# KiCad board robot.kicad_pcb (continued)
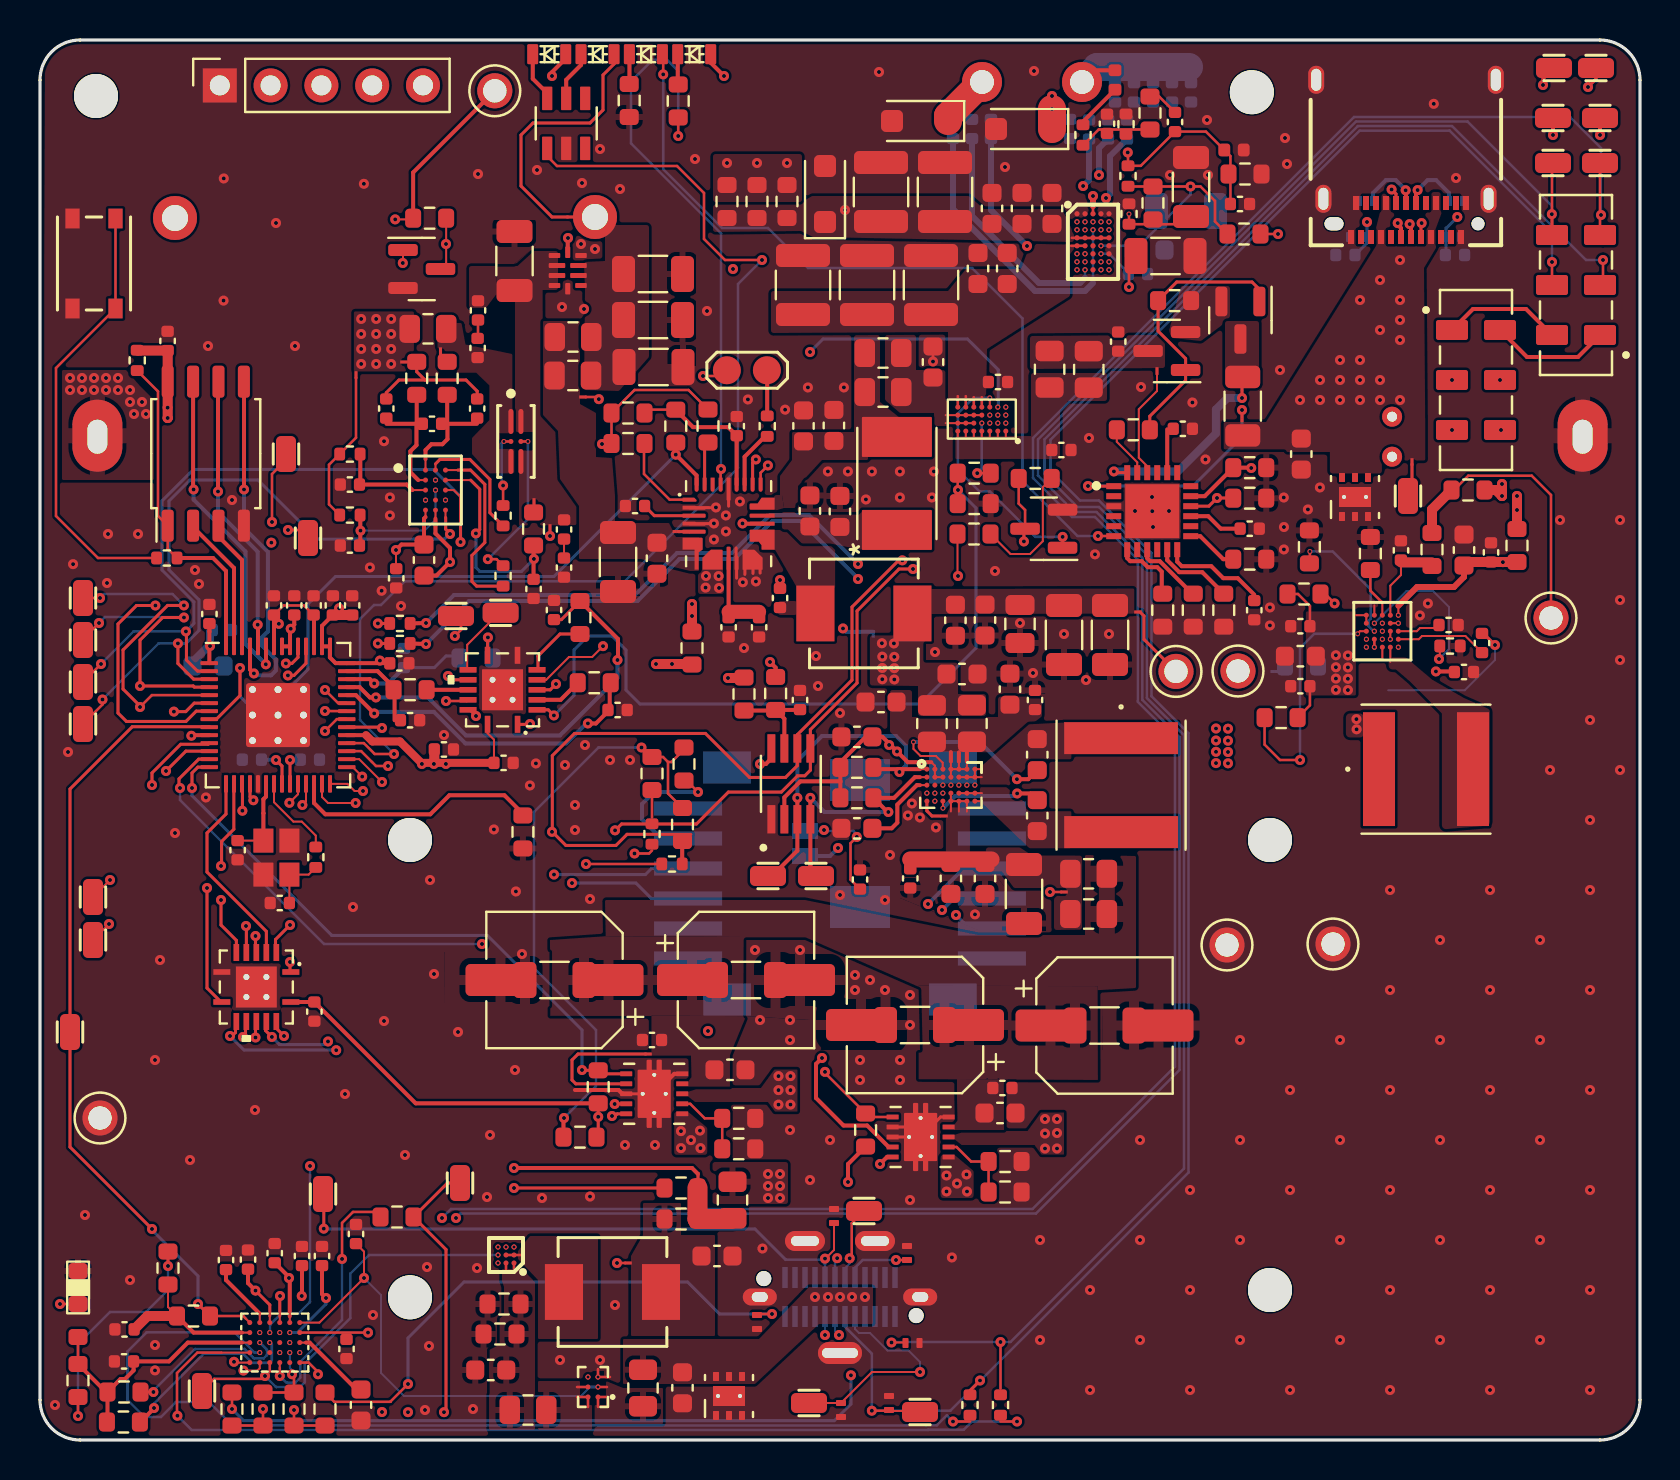
[diagram p0: board, top side]
## Routing (per net, layer and track width the routed paths; a pad name or vN(x,y) marks a point on that pad's centre or on a via; arc(x,y) is an arc through that point) (continued)
/BoostRegulator/IN: length 3.8
  Top Layer w0.1: U6.A6 U6.A4 ; U6.A4 45.54,33.93 ; U6.A4 U6.B4 ; 46.35,33.54 46.35,33.92 ; 45.95,33.54 45.95,33.92
  Top Layer w0.2: 45.54,33.93 45.54,34.39 ; 45.95,33.92 45.95,34.39 ; 46.35,33.92 46.35,34.39
/Charger/BATT_SIGNAL: length 0.6
  Top Layer w0.152: U13.5 32.48,45.42 31.92,45.42
/Charger/DISQBAT: length 4.4
  Top Layer w0.127: 30.2,49.88 30.2,48.3 31.48,47.02 U13.1
/Charger/SUSPND: length 2.2
  Top Layer w0.152: R81.1 33.23,49.71 U13.31
/Charger/VIO: length 7.7
  Top Layer w0.127: R49.1 30.39,51.52 30.22,51.35
  Top Layer w0.2: 34.84,49.92 C71.1 34.41,50.64 32.65,50.64 31.79,51.51 ; U13.27 34.83,49.91
/DN1: length 6
  Top Layer w0.2: S3.4 74.35,54.15 76.9,54.15 S4.1
/DN2: length 19.7
  Top Layer w0.2: v1(68.88,62.5) 68.8,62.41 J1.B7 ; v1(67.89,60.85) 67.89,60.76 68.05,60.59 J1.A7
  Signal Layer 1 w0.2: v1(67.89,60.85) 68.88,61.84 v1(68.88,62.5)
  Signal Layer 2 w0.2: v1(73.05,50.5) 71.85,51.7 71.85,58.96 68.88,61.93 v1(68.88,62.5)
  Bottom Layer w0.2: U28.1 70.45,62.35 69.81,62.99 69.38,62.99 v1(68.88,62.5)
/DP1: length 6
  Top Layer w0.2: S4.4 74.3,56.55 71.65,56.55 S3.1
/DP2: length 16.9
  Top Layer w0.2: J1.A6 68.55,60.73 v1(68.48,60.8) ; v1(68.28,62.49) 68.3,62.47 J1.B6
  Signal Layer 1 w0.2: v1(68.48,60.8) 68.55,60.73 68.55,54 70.6,51.95 v1(70.6,50.5)
  Signal Layer 2 w0.2: v1(68.48,60.8) 68.58,60.89 68.58,62.16 68.28,62.46 v1(68.28,62.49)
  Bottom Layer w0.2: U29.1 66.65,62.35 67.29,62.99 67.79,62.99 68.28,62.5 v1(68.28,62.49)
/GPIO4: length 71
  Top Layer w0.127: R18.2 48.93,46.82 49.25,46.5 Q1.3
  Top Layer w0.152: U3.6 7.71,36.84 7.29,36.42 v1(6.7,36.42) ; v1(49.2,44.93) 49.2,45.51
  Signal Layer 2 w0.152: v1(49.2,44.93) 49.2,52.63 46.87,54.95 37.38,54.95 36.6,54.17 26.04,54.17 24.52,52.65 11.32,52.65 6.45,47.78 6.45,39.05 6.7,38.8 v1(6.7,36.42)
/GPIO5: length 78.6
  Top Layer w0.152: v1(5.77,41.72) 4.83,41.72 3.9,40.8 3.9,36.35 4.32,35.93 7.3,35.93 7.81,36.44 U3.7
  Signal Layer 2 w0.152: v1(38.5,54.4) 36.82,52.72 36.82,48.55 36.57,48.3 35.92,48.3 33.85,50.37 14.99,50.37 14.33,49.72 13,49.72 7.25,43.98 7.25,42.63 7.87,42.01 7.87,37 6.87,35.99 6.52,35.99 6.27,36.24 6.27,38.87 5.77,39.37 v1(5.77,41.72)
  Bottom Layer w0.152: v1(38.5,54.4) 39.15,55.05 46.37,55.05 47.91,53.51 47.91,51.64 47.89,51.64
  vias: v2(47.89,51.64)
/GPIO6: length 36.2
  Top Layer w0.152: v1(10,38.6) 10,37.22 8.82,36.04
  Top Layer w0.2: U13.32 32.83,48.23 v1(31.79,49.27) R49.2
  Bottom Layer w0.152: v1(31.79,49.27) 25.7,43.17 14.78,43.17 13.4,41.8 13.4,38.53 12.6,37.73 12.6,37.26 12.22,36.89 10.3,36.89 10,37.18 v1(10,38.6)
/GPIO7: length 39.6
  Top Layer w0.1: 10.3,6.06 U11.A1
  Top Layer w0.127: R36.2 10.16,6.2 10.3,6.06
  Top Layer w0.152: v1(7.9,6.8) R36.2 ; U3.9 8.44,35.66 4.61,35.66 1.5,32.55 1.5,14.65 v1(5.6,10.55)
  Bottom Layer w0.152: v1(7.9,6.8) 7.9,8.2 5.6,10.5 v1(5.6,10.55)
/GPIO8: length 27.1
  Top Layer w0.152: 12.5,23.4 v1(12.5,23.9) ; v1(5.6,32.75) 5.6,33.35 7.03,34.79 8.41,34.79 U3.11 ; v1(10.15,20.15) 10.28,20.27 10.28,20.93 ; 10.78,24.38 v1(10.78,25.2) ; 11.78,20.93 11.78,20.62 v1(12.2,20.2)
  Signal Layer 1 w0.152: v1(5.6,32.75) 5.6,29.3 9.7,25.2 v1(10.78,25.2) 12.08,23.9 v1(12.5,23.9) 12.5,22.45 10.2,20.15 v1(10.15,20.15) 10.15,19.9 10.35,19.7 11.74,19.7 12.2,20.16 v1(12.2,20.2)
/GPIO9: length 71.7
  Top Layer w0.152: U3.12 7.29,34.44 v1(6.3,33.45)
  Signal Layer 2 w0.127: v2(53.05,58.91) 52.87,58.91 52.7,58.74 52.7,57.95 51.9,57.15 13.3,57.15 4.4,48.25 4.4,39.35 5.95,37.8 5.95,33.8 v1(6.3,33.45)
/GPIO10: length 45.1
  Top Layer w0.127: v1(39.25,18.41) 39.25,18.36 R28.2 41.45,16.15 U8.6
  Top Layer w0.152: 6.95,32.7 6.95,33.06 7.94,34.04 U3.13
  Signal Layer 2 w0.127: v1(39.25,18.41) 37.9,18.41 31.5,24.8 v1(22.1,24.8)
  Bottom Layer w0.127: v1(22.1,24.8) 14.2,24.8 7,32 v1(7,32.6)
/GPIO11: length 30.7
  Top Layer w0.152: v1(7.6,32.6) 7.6,33.35 7.89,33.64 U3.14 ; U9.6 28.09,18.31 R31.2 27.12,18.48
  Bottom Layer w0.152: v1(27.1,18.5) 27.1,20.5 22.37,25.23 14.59,25.23 7.6,32.22 v1(7.6,32.6)
/GPIO12: length 10.1
  Top Layer w0.152: U3.15 9.3,31.3 8.35,30.35 8.35,28.4 11.32,25.43 Q6.3
/GPIO13: length 9
  Top Layer w0.152: v1(9.05,28.7) 9.08,28.73 9.08,29.93 9.69,30.54 9.69,32.8 U3.16 ; v1(9.05,27) 9.05,25.75 9.82,24.98 Q6.6
  Signal Layer 1 w0.152: v1(9.05,27) v1(9.05,28.7)
/GPIO14: length 11.9
  Top Layer w0.152: v1(8.35,27.6) 8.35,22.6 9.05,21.9 ; 10.12,32.78 10.12,31.47 v1(10.12,31.46)
  Signal Layer 1 w0.152: v1(10.12,31.46) 8.4,29.74 8.4,27.65 v1(8.35,27.6)
/GPIO15: length 15.6
  Top Layer w0.152: v1(10.78,20.12) 10.78,20.93 ; U3.18 10.5,32.16 v1(10.67,31.99)
  Signal Layer 1 w0.152: v1(10.67,31.99) 13.2,29.46 13.2,22.55 v1(10.78,20.12)
/GPIO20: length 39.9
  Top Layer w0.1: Q7.3 20.31,58.83 R8.2
  Top Layer w0.127: v1(17.4,33.7) 16.8,33.7 16.06,34.44 U3.31
  Signal Layer 1 w0.127: v1(17.4,33.7) 16.9,33.7 16.3,34.3 16.3,38 16.3,38 16.3,42.8 15,44.1 15,60.4 16.6,62 18.1,62 v1(20.3,59.8)
/GPIO23: length 95.6
  Top Layer w0.127: R89.2 v1(61.9,60.3) ; v1(14.25,35.45) 14.84,36.04 U3.35
  Signal Layer 1 w0.127: v1(14.25,35.45) 15,36.2 15,40.6 13.65,41.95 13.65,47.75 10.35,51.05 10.35,68.25 11.15,69.05 23.45,69.05 25.7,66.8 41.4,66.8 50.65,57.55 52.45,57.55 53.05,58.15 v2(53.05,58.51) 53.05,58.33 53.23,58.15 59.75,58.15 v1(61.9,60.3)
/I2C0_SCL: length 153
  Top Layer w0.1: 20.27,46.12 U12.E3
  Top Layer w0.127: v1(3.12,37.03) 3.12,36.78 TP16.1
  Top Layer w0.152: v1(43.12,43.98) 42.93,43.98 40.6,41.65 40.6,38 37.87,35.27 U5.6 37.87,33.72 37.28,33.13 35.47,33.13 33.27,35.33 26.73,35.33 25.62,34.22 25.62,30.41 26.3,29.73 28.8,29.73 29.35,30.28 32.54,30.28 ; 20.28,46.12 20.28,45.54 20.5,45.33 ; v1(6.9,39.83) 6.9,38.83 7.68,38.04 U3.3 ; 28.76,16.21 28.86,16.31 U9.10
  Top Layer w0.2: R7.2 32.11,29.94 R15.2 ; v1(42,13.8) 42.35,14.15 U8.10
  Signal Layer 1 w0.2: v1(25.6,30.41) 26.23,29.78 29.91,29.78 30.4,29.29 30.4,20 28.1,17.7 28.1,16.7 v1(28.6,16.2) 28.6,13.2 30.56,11.24 38.1,11.24 40.66,13.8 v1(42,13.8)
  Signal Layer 2 w0.127: v2(53.45,58.51) 53.45,49.9 52.33,48.78 52.31,48.78 49.77,46.24 49.77,44.57 49.43,44.23 43.36,44.23 v1(43.12,43.98)
  Signal Layer 2 w0.152: 25.62,30.41 21.37,34.65 21.37,36.67 21.75,37.05 21.75,44.77 21.45,45.07 21.45,45.08 21.2,45.33 20.5,45.33
  Bottom Layer w0.127: v1(3.12,37.03) 5.93,39.83 v1(6.9,39.83)
  Bottom Layer w0.152: v1(6.9,39.83) 7.3,39.83 7.95,40.48 7.95,42.01 6.45,43.51 6.45,46.95 7.5,48 10.9,48 13.86,45.04 20.21,45.04 20.5,45.33
  vias: v1(20.5,45.3)
/I2C0_SDA: length 141.3
  Top Layer w0.1: U12.C3 20.69,47.5 21.03,47.16
  Top Layer w0.127: R14.2 30.6,31.12 ; TP1.1 v1(3.05,38.8)
  Top Layer w0.152: v1(43.65,43.55) 42.95,43.55 40.85,41.45 40.85,37.85 38.52,35.52 U5.5 38.52,33.49 38.24,33.21 37.88,33.21 37.07,32.4 34.42,32.4 32.82,30.8 29.08,30.8 28.78,30.5 ; U3.2 7.88,38.44 7.32,39 7.32,40.4 v1(7.3,40.43) ; U9.9 28.76,16.81 ; 21.03,47.16 v1(21.03,44.9)
  Top Layer w0.2: v1(39.1,19.1) 38.8,18.8 38.8,17.1 40.17,15.72 41.36,15.72 42.43,14.65 U8.9
  Signal Layer 1 w0.2: 30.8,19.1 30.8,29.31 29.63,30.48 v1(28.75,30.48) ; 30.8,19.1 30.2,19.1 28.74,17.64 v1(28.74,16.8) ; 30.8,19.1 v1(39.1,19.1)
  Signal Layer 2 w0.127: 44.3,43.6 43.7,43.6 v1(43.65,43.55) 44.25,43.55 44.3,43.6 ; 44.3,43.6 44.7,44 49.55,44 50,44.45 50,46.13 53.9,50.03 53.9,58.64 53.63,58.91 v2(53.45,58.91)
  Signal Layer 2 w0.152: 28.77,30.5 28.1,29.83 22.6,29.83 21.12,31.3 21.12,36.78 21.5,37.15 21.5,44.67 21.26,44.9 v1(21.03,44.9)
  Bottom Layer w0.127: v1(7.3,40.43) 4.68,40.43 v1(3.05,38.8)
  Bottom Layer w0.152: v1(7.3,40.43) 7.7,40.83 7.7,41.9 6.1,43.5 6.1,46.96 7.67,48.53 19.67,48.53 21.03,47.17 v1(21.03,44.9)
/I2C1_SCL: length 102.5
  Top Layer w0.127: v1(3,42.1) TP2.1 ; v1(5,36.65) 5.6,37.24 U3.5 ; v1(36.4,48.73) 36.03,48.36 U13.24 ; R35.2 v1(5.67,2.4)
  Top Layer w0.152: v1(5,36.65) 5,36.7 4.15,37.55 4.15,39.5 6.38,41.73 v1(7.2,41.73)
  Signal Layer 2 w0.152: v1(7.2,41.73) 6.75,42.17 6.75,47.55 9.58,50.38 14.03,50.38 14.6,50.95 35.47,50.95 36.4,50.03 v1(36.4,48.73) ; v1(5.67,2.4) 5.1,2.4 4.8,2.7 4.8,5.06 1.25,8.6 1.25,33.1 4.8,36.65 v1(5,36.65)
  Bottom Layer w0.127: v1(5.67,2.4) 5.67,2.47 7.75,4.55 10.23,4.55 10.7,4.08 11.18,4.08 11.35,4.25 11.35,4.51 v2(10.99,4.87) ; v1(7.2,41.73) 6.62,42.3 3.2,42.3 v1(3,42.1)
/I2C1_SDA: length 101.3
  Top Layer w0.127: TP17.1 2.15,40.05 v1(2.95,40.85)
  Top Layer w0.152: v1(35.8,49.03) 35.63,48.86 U13.25 ; U3.4 7.72,37.64 7.66,37.7 v1(5,37.7) 5,39.99 6.13,41.12 v1(7.2,41.12)
  Top Layer w0.2: 5.02,0.9 5.7,1.58 v1(5.7,1.6)
  Signal Layer 2 w0.152: v1(5,37.7) 5,37.25 1,33.25 1,8.5 4.5,5 4.5,2.52 5.42,1.6 v1(5.7,1.6) ; v1(7.2,41.12) 7.62,41.55 7.62,41.9 7,42.52 7,46.25 10.73,49.97 14.23,49.97 14.89,50.62 34.2,50.62 v1(35.8,49.03)
  Bottom Layer w0.127: v1(5.7,1.6) 5.7,1.82 8.2,4.32 10.13,4.32 10.6,3.86 11.46,3.86 11.59,3.99 11.59,4.76 11.48,4.87 ; v1(7.2,41.12) 7.17,41.15 3.25,41.15 v1(2.95,40.85)
  vias: v2(11.49,4.87)
/LDOs/LED_3V3: length 2.7
  Top Layer w0.2: 24.64,69.5 24.64,68.06 25.36,67.34 U7.6
/LDOs/SYS: length 7.1
  Top Layer w0.1: U14.B1 U14.A1 65.71,41.24 ; U14.E3 67.12,39.05
  Top Layer w0.127: R93.2 63.5,36.74 C85.1 ; R92.2 62.9,42.3 63.5,41.7 C4.1 ; 67.1,39.03 65.78,39.03
  vias: v1(64.8,39.24) v1(64.8,38.64) v1(64.8,38.07) v1(64.8,37.51) v1(65.4,39.23) v1(65.4,38.63) v1(65.4,38.06) v1(65.4,37.5)
/LED_EN: length 57.6
  Top Layer w0.127: U3.32 16.19,34.84 16.73,34.3 v1(17.7,34.3) ; v1(36.1,59) 34.25,59 33.2,60.05 33.2,62.35 31.85,63.7 25.85,63.7 25.36,64.19 U7.1
  Bottom Layer w0.127: v1(36.1,59) 34.9,57.8 34.9,48.6 29.24,42.94 18.24,42.94 17.05,41.75 16.7,41.75 16,41.05 16,36 v1(17.7,34.3)
/LED_PACK: length 2.7
  Top Layer w0.2: U7.5 26.31,68.01 27.05,68.75 27.05,69.5
/MCU/ADC2: length 3.6
  Top Layer w0.1: TP26.1 22.96,41.36 21.36,39.76 21.36,38.51
/MCU/ADC3: length 6.5
  Top Layer w0.127: 21.05,41.41 21.05,40.51 v1(20.74,40.2) ; v1(20.3,36.95) 21.34,36.95 Q5.12
  Signal Layer 1 w0.127: v1(20.3,36.95) 19.6,37.65 19.6,39.06 v1(20.74,40.2)
/MCU/D+: length 78.9
  Top Layer w0.2: TP20.1 v1(78,65.25) ; R3.1 v1(19.3,40.85)
  Signal Layer 1 w0.2: v1(40.9,43.8) 42.06,42.64 63.79,42.64 71.2,50.05 71.2,52.4 v1(70.6,53) 70.6,57.85 v1(78,65.25)
  Bottom Layer w0.2: v1(40.9,43.8) 38.45,46.25 36.5,46.25 34.6,44.35 31.85,44.35 29.75,42.25 20.7,42.25 v1(19.3,40.85)
/MCU/D-: length 78.1
  Top Layer w0.2: R4.1 v1(19.3,39.8) ; TP21.1 v1(75.65,65.25)
  Signal Layer 1 w0.2: v1(73,53) 73,51.43 63.91,42.34 41.61,42.34 v1(40.9,43.05)
  Signal Layer 2 w0.2: v1(75.65,65.25) 74.05,63.65 74.05,57.1 73.03,56.08 73.03,53.03 v1(73,53)
  Bottom Layer w0.2: v1(19.3,39.8) 21.45,41.95 29.87,41.95 31.97,44.05 34.72,44.05 36.62,45.95 38.03,45.95 40.9,43.08 v1(40.9,43.05)
/MCU/GPIO22: length 19.3
  Top Layer w0.152: v1(25.8,37.8) 25.51,37.51 24.9,37.51 ; v1(21.8,36.2) 21.49,36.51 21.36,36.51 ; v1(24.5,35.8) 24.48,35.78 23.88,35.78 ; 21.36,38.01 20.59,38.01 v1(20.4,38.2) ; U3.34 17.06,35.64 v1(17.1,35.6)
  Signal Layer 1 w0.152: v1(21.8,36.2) 20.4,37.6 v1(20.4,38.2) ; v1(21.8,36.2) 22.2,35.8 v1(24.5,35.8) 24.5,36.5 v1(25.8,37.8) ; v1(21.8,36.2) 21.8,35.5 20.85,34.55 19.15,34.55 18.1,35.6 v1(17.1,35.6)
/MCU/GPIO24: length 15
  Top Layer w0.127: U3.36 v1(14.25,36.45) ; v1(11.6,45.9) 11.6,48.3 12.25,48.95 12.25,49
  Signal Layer 1 w0.127: v1(11.6,45.9) 11.6,45.42 12.77,44.25 12.77,42.08 13.84,41.01 13.84,36.86 v1(14.25,36.45)
/MCU/GPIO25: length 11.3
  Top Layer w0.127: v1(14.25,37.5) 14.91,36.84 U3.37 ; v1(12.4,45.5) 13,45.5 TP33.1
  Signal Layer 1 w0.127: v1(14.25,37.5) 14.25,41.03 13.27,42.01 13.27,44.63 v1(12.4,45.5)
/MCU/GPIO26_ADC0: length 16.2
  Top Layer w0.2: U3.38 15.79,37.24 v1(16.71,36.33) ; 28.49,37.81 28.49,36.52 27.8,35.83 v1(27.4,35.83)
  Bottom Layer w0.2: v1(27.4,35.83) 27.32,35.83 26.32,34.83 21.27,34.83 19.69,36.41 16.79,36.41 v1(16.71,36.33)
/MCU/GPIO27_ADC1: length 22.1
  Top Layer w0.152: R24.1 26.07,41.02 C38.1
  Top Layer w0.2: R24.1 28.9,40.05 28.9,39.03 v1(28.87,39) ; v1(16.8,37.13) 16.5,37.13 15.98,37.64 U3.39
  Bottom Layer w0.2: v1(16.8,37.13) 19.4,37.13 21.3,35.23 26,35.23 28.87,38.11 v1(28.87,39)
/MCU/GPIO28_ADC2: length 6.4
  Top Layer w0.2: v1(16.71,37.83) 16.49,38.04 U3.40
  Bottom Layer w0.152: 21.1,39.2 20.3,39.2 19.72,38.62 C37.1
  Bottom Layer w0.2: v1(16.71,37.83) 17.41,37.83 C37.1
/MCU/GPIO29_ADC3: length 4.2
  Top Layer w0.2: 17.73,35.99 17.73,37.46 ; 17.39,37.51 17.39,37.94 16.88,38.44 U3.41
/MCU/QSPI_SCLK: length 14
  Top Layer w0.2: U3.52 10.9,40.75 v1(10.88,40.76) ; v1(8.9,47.42) 8.9,52.89
  Bottom Layer w0.2: v1(10.88,40.76) 10.88,44.42 8.9,46.4 v1(8.9,47.42)
/MCU/QSPI_SD0: length 18
  Top Layer w0.2: U3.53 10.5,38.52 v1(10.7,38.33) ; v1(10.2,47.53) 10.2,52.91
  Bottom Layer w0.2: v1(10.7,38.33) 10.79,38.23 11.55,38.23 11.8,38.48 11.8,39.03 11.1,39.73 11.1,40.13 11.4,40.43 11.4,44.4 10.2,45.6 v1(10.2,47.53)
/MCU/QSPI_SD1: length 6.9
  Top Layer w0.2: U2.2 7.65,45.65 9.7,43.6 U3.55
/MCU/QSPI_SD2: length 6.5
  Top Layer w0.2: U3.54 10.1,44 8.92,45.18 U2.3
/MCU/QSPI_SD3: length 16.5
  Top Layer w0.2: U3.51 11.3,38.79 v1(11.29,38.78) ; U2.7 7.65,47.55 v1(7.68,47.53)
  Bottom Layer w0.2: v1(11.29,38.78) 10.27,39.8 10.27,44.43 7.68,47.02 v1(7.68,47.53)
/MCU/QSPI_SS: length 16.7
  Top Layer w0.127: R1.1 6.38,44.57 U2.1 5.9,46.2 5.9,52.43 R2.2
  Top Layer w0.2: U3.56 9.3,43.45 8.65,44.1 R1.1
/MCU/RUN: length 12.5
  Top Layer w0.2: U3.26 13.7,31.85 14.27,31.28 19.52,31.28 20.47,32.24 23.22,32.24 24.22,31.24
/MCU/SWCLK: length 39.9
  Top Layer w0.1: U3.24 12.9,32.29 v1(12.47,31.86)
  Signal Layer 1 w0.1: v1(12.47,31.86) 15.48,34.87 15.48,38.34 15.49,38.34 15.49,41.91 14.19,43.21 14.19,57.52 13.89,57.82 13.89,65.37 J2.2
/MCU/SWD: length 38.8
  Top Layer w0.1: v1(13.12,31.75) 13.3,31.93 U3.25
  Signal Layer 1 w0.1: v1(13.12,31.75) 15.31,33.94 15.31,34.2 15.68,34.57 15.68,38.25 15.69,38.26 15.69,42.21 14.39,43.51 14.39,67.41 J2.3
/MCU/UART_CTS: length 17.8
  Top Layer w0.1: v1(3.45,25.8) TP11.1 ; U3.29 15.64,33.64 v1(16.11,33.17)
  Signal Layer 2 w0.1: v1(16.11,33.17) 15.66,33.17 11.76,29.27 6.92,29.27 v1(3.45,25.8)
/MCU/UART_RTS: length 19.6
  Top Layer w0.1: U3.30 15.96,34.04 v1(17.1,32.9) ; v1(3.5,28) TP24.1
  Signal Layer 2 w0.1: v1(17.1,32.9) 16.43,33.57 15.6,33.57 11.6,29.57 5.07,29.57 v1(3.5,28)
/MCU/UART_RX: length 39.8
  Top Layer w0.1: U3.28 15.37,32.81 15.73,32.45 v1(16.15,32.45)
  Signal Layer 1 w0.1: v1(16.15,32.45) 15.71,32.89 15.71,34.04 16.08,34.41 16.08,38.09 16.09,38.09 16.09,42.61 14.79,43.91 14.79,63.37 J2.5
/MCU/UART_TX: length 40
  Top Layer w0.1: v1(15.78,31.85) 14.4,31.85 14.1,32.15 U3.27
  Signal Layer 1 w0.1: v1(15.78,31.85) 15.51,32.12 15.51,34.12 15.88,34.49 15.88,38.17 15.89,38.17 15.89,42.41 14.59,43.71 14.59,65.71 J2.4
/MCU/XIN: length 4.2
  Top Layer w0.1: C2.1 Y1.1
  Top Layer w0.2: Y1.1 11.17,31.34 11.17,31.34 11.17,32.04 11.3,32.17 U3.20
/MCU/XOUT: length 4.3
  Top Layer w0.1: U3.21 11.7,31.89 12.67,30.92 13.09,30.92 13.79,30.22 R5.1
/MCU/~{USB_BOOT}: length 22
  Top Layer w0.127: R1.2 2.9,44.1 0.8,46.2 0.8,53.6 S2.2 S2.1
/MOTORS/ENC_11: length 37.9
  Top Layer w0.152: v1(12.5,25.75) 11.78,25.03 11.78,24.38
  Signal Layer 2 w0.2: v1(12.5,25.75) 12.55,25.8 43.4,25.8 v1(44.4,26.8)
  Bottom Layer w0.2: J5.3 46.18,28.58 v1(44.4,26.8)
/MOTORS/ENC_12: length 39.5
  Top Layer w0.152: v1(10.3,25.7) 10.32,25.68 Q6.5
  Signal Layer 2 w0.152: v1(45.1,26.5) 43.92,25.32 11.63,25.32 11.25,25.7 v1(10.3,25.7)
  Bottom Layer w0.2: J5.4 45.67,27.07 v1(45.1,26.5)
/MOTORS/ENC_21: length 28.3
  Top Layer w0.152: v1(9.5,20.2) 9.6,20.2 9.77,20.37 9.77,20.93
  Signal Layer 1 w0.152: v1(14.81,19.49) 14.81,19.73 14.83,19.75 14.83,20.18 22.95,28.3 25.67,28.3 v1(25.7,28.27)
  Bottom Layer w0.152: v1(25.7,28.27) 25.7,28.27 30.27,28.27 30.58,28.58 J3.4 ; v1(9.5,20.2) 9.5,20.2 10.2,19.5 14.8,19.5 v1(14.81,19.49)
/MOTORS/ENC_22: length 26.8
  Top Layer w0.152: v1(11.59,20.15) 11.27,20.47 11.27,20.93
  Signal Layer 1 w0.152: v1(14.4,19.93) 14.4,20.25 22.85,28.7 26.35,28.7 26.6,28.45 v1(26.6,27.85)
  Bottom Layer w0.152: v1(11.59,20.15) 11.97,19.77 14.25,19.77 v1(14.4,19.93) ; J3.3 30.57,27.07 29.79,27.85 v1(26.6,27.85)
/MOTORS/ENC_VCC: length 25.6
  Top Layer w0.127: 32.2,32.88 32.42,32.88 v1(32.9,32.4)
  Signal Layer 2 w0.152: v1(32.9,32.4) 33.4,32.9 39.5,32.9 45.8,26.6 v1(45.8,26.25)
  Bottom Layer w0.152: v1(45.8,26.25) 46.48,25.57 J5.5
  Bottom Layer w0.2: J3.5 31.06,30.08 30.1,31.03 30.1,31.8 30.7,32.4 v1(32.9,32.4)
/MOTORS/OUT_N1:
  vias: v1(45.33,13.22) v1(45.33,12.43) v1(45.85,12.82) v1(46.33,13.28) v1(46.35,12.43)
/MOTORS/OUT_N2:
  vias: v1(32.05,15.44) v1(32.05,14.59) v1(32.55,14.99) v1(33,15.47) v1(33.02,14.59)
/MOTORS/OUT_P1:
  vias: v1(50.25,16.05) v1(50.25,15.32) v1(50.25,14.57) v1(50.85,16.05) v1(50.85,15.35) v1(50.85,14.57)
/MOTORS/OUT_P2:
  vias: v1(36.92,18.19) v1(36.92,17.49) v1(36.92,16.77) v1(37.52,18.19) v1(37.52,17.49) v1(37.52,16.77)
/MOTORS/VIO: length 38.9
  Top Layer w0.152: 27.91,15.43 v1(27.91,16.16) R31.1
  Top Layer w0.2: R28.1 40.4,13.79 v1(40.4,12.9) ; R31.1 18.78,16.83 C44.1 Q6.14
  Signal Layer 1 w0.2: v1(40.4,12.9) 40.4,11.7 39.6,10.9 30.3,10.9 27.91,13.29 v1(27.91,16.16)
/PowerMux/FLAG: length 12.4
  Top Layer w0.1: U4.D3 47.49,52.11
  Top Layer w0.127: v1(51.13,45.16) 51.13,44.62 ; 47.49,52.11 v2(47.49,52.11)
  Bottom Layer w0.127: v1(51.13,45.16) 49.77,45.16 47.5,47.43 46.97,47.43 45.9,48.5 45.9,51.33 46.67,52.11 v2(47.49,52.11)
/PowerMux/VIO: length 6.6
  Top Layer w0.1: R76.1 48.53,44.3 49.5,44.3 50.14,44.94 50.14,47.63 R18.1
/PowerMux/VOUT: length 3.2
  Top Layer w0.1: 45.28,51.24 U4.C5 U4.C4 ; U4.B5 45.28,50.84
/Protection/RC2: length 13.4
  Top Layer w0.1: Q7.1 18.15,58.86 v1(18.14,58.85)
  Signal Layer 1 w0.1: v1(18.14,58.85) 20.27,56.72 v2(20.27,47)
/SCL_SL: length 37.6
  Top Layer w0.127: v1(27.3,28.8) R7.1
  Signal Layer 1 w0.2: v1(27.3,28.8) 27.04,29.06 22.73,29.06 13.95,20.28 13.95,13.51 10.3,9.86 10.3,6.06 10.99,5.37
  vias: v2(10.99,5.37)
/SDA_SL: length 37.1
  Top Layer w0.127: 30.6,29.47 30.45,29.32 v1(29.72,29.32)
  Signal Layer 1 w0.127: v1(29.72,29.32) 22.62,29.32 13.5,20.2 v1(13.5,13.7)
  Bottom Layer w0.127: v1(13.5,13.7) 13.5,6.9 12.91,6.31 12.06,6.31 11.5,5.75 11.5,5.4
  vias: v2(11.49,5.37)
/SYS:
  vias: v1(33.3,43.2) v1(33.28,42.62) v1(33.93,43.2) v1(33.95,42.6) v1(36.4,13.3) v1(36.4,12.7) v1(36.4,12.1) v1(37,13.3) v1(37,12.7) v1(37,12.1) v1(42.1,39.84) v1(42.12,39.17) v1(42.12,38.6) v1(42.12,38.04) v1(42.7,39.83) v1(42.72,39.16) v1(42.72,38.59) v1(42.72,38.03) v1(58.8,35.58) v1(58.8,34.97) v1(58.8,34.41) v1(58.8,33.84) v1(59.4,35.56) v1(59.4,34.97) v1(59.4,34.4) v1(59.4,33.83)
/USB-PD-ExtChg/CC1: length 35.2
  Top Layer w0.152: TP22.1 77.8,68.05 v1(77.4,67.65) ; v1(69.08,60.85) 69.05,60.81 J1.A5
  Top Layer w0.2: v1(60.56,48.6) 60.55,48.62 R63.1 58.24,47.19 U18.17
  Signal Layer 1 w0.152: v1(77.4,67.65) 76.35,67.65 71.05,62.35 71.05,61.33 v1(70.87,61.15) 70.8,61.21 69.45,61.21 v1(69.08,60.85)
  Signal Layer 2 w0.2: v1(60.56,48.6) 60.56,50.67 69.08,59.19 v1(69.08,60.85)
  Bottom Layer w0.152: C18.1 70.3,59.28 70.3,60.58 v1(70.87,61.15)
/USB-PD-ExtChg/CC2: length 34.9
  Top Layer w0.152: TP23.1 75.15,68.05 v1(75.15,67.75) ; J1.B5 67.8,62.3 v1(67.58,62.52) ; U18.16 58.44,46.69 v1(58.85,47.1) 59.65,47.1 R64.1
  Signal Layer 1 w0.152: v1(67.58,62.52) 69.36,64.3 71.25,64.3 74.7,67.75 75.2,67.75
  Signal Layer 2 w0.152: v1(58.85,47.1) 58.85,49.35 61.87,52.37 61.87,52.38 62.12,52.63 62.13,52.63 65.15,55.65 65.15,59.7 v1(66.35,60.9) 67.58,62.13 v1(67.58,62.52)
  Bottom Layer w0.152: v1(66.35,60.9) 66.35,59.85 C19.1
/USB-PD-PhonePC/DN_EXT: length 113.2
  Top Layer w0.1: v1(42.58,4.88) 43.25,4.88 U15.1
  Top Layer w0.127: v1(78.15,59) 78.15,57.9 S4.2 ; 48.03,2.57 v1(48.03,4.9) ; TP13.1 40.59,10.84 40.59,9.19 v1(40.48,9.08)
  Signal Layer 2 w0.1: v1(39.95,5.25) 42.2,5.25 v1(42.58,4.88) 42.58,8.43 41.92,9.08 v1(40.48,9.08)
  Bottom Layer w0.1: J4.A7 40.25,8.59 40.48,8.82 v1(40.48,9.08) ; v1(39.95,5.25) 39.75,5.45 J4.B7
  Bottom Layer w0.127: v1(78.15,59) 77.3,59 70.6,65.7 65.89,65.7 50.22,50.03 50.22,48.3 51.88,46.65 52.95,46.65 55.35,44.25 55.35,37.1 57.2,35.24 57.2,13.57 48.53,4.9 42.55,4.9
/USB-PD-PhonePC/DN_EXT_PR: length 49.5
  Top Layer w0.1: U11.D1 9.07,4.37
  Top Layer w0.127: v1(6.87,1.21) 6.85,1.23 6.85,3.35 7.87,4.37 9.07,4.37 ; 48.03,0.93 v1(48.85,0.93)
  Bottom Layer w0.127: v1(6.87,1.21) 7.58,0.5 44.4,0.5 44.41,0.51 46.19,0.51 46.6,0.93 v1(48.85,0.93)
/USB-PD-PhonePC/DN_Switched: length 131.7
  Top Layer w0.1: v1(9.7,3.91) 9.74,3.87 U11.E1
  Top Layer w0.127: TP15.1 S4.3
  Signal Layer 1 w0.1: v1(9.7,3.91) 12.92,3.91 20.1,11.09 v1(20.1,11.1)
  Bottom Layer w0.127: v1(20.1,11.1) 20.55,11.55 49.62,11.55 56.75,18.67 56.75,35.05 54.89,36.91 54.89,44.01 52.75,46.15 51.6,46.15 49.65,48.1 49.65,50.1 65.7,66.15 76.5,66.15 78.05,64.6 v1(78.05,61.25)
/USB-PD-PhonePC/DP2_Switched: length 127.3
  Top Layer w0.1: U11.E2 10.99,3.59 10.87,3.47 v1(10.17,3.47)
  Top Layer w0.127: v1(75.59,61.29) 75.6,61.3 75.6,63.85
  Top Layer w0.152: S4.6 75.6,61.28 v1(75.59,61.29)
  Signal Layer 1 w0.1: v1(20.8,11.1) 20.7,11.1 13.29,3.69 10.39,3.69 v1(10.17,3.47)
  Bottom Layer w0.127: v1(75.59,61.29) 75.59,61.71 71.38,65.92 65.8,65.92 49.9,50.03 49.9,48.22 51.72,46.4 52.82,46.4 55.12,44.1 55.12,37 56.97,35.15 56.97,18.5 49.8,11.32 21.02,11.32 v1(20.8,11.1)
/USB-PD-PhonePC/DP_EXT: length 116.9
  Top Layer w0.1: 42.45,1.45 44.05,1.45
  Top Layer w0.127: v1(75.6,58.9) S4.5 ; 41.58,1.46 42.41,1.46 U19.1
  Top Layer w0.152: v1(47,2.97) 46.5,2.47 R33.1
  Signal Layer 1 w0.127: v1(39.86,9.09) 40.28,8.67 41.38,8.67 43,7.05 43,2.88 41.58,1.46
  Bottom Layer w0.127: 41.58,1.46 45.51,1.46 57.43,13.38 57.43,35.34 55.57,37.19 55.57,44.35 52.95,46.97 52,46.97 50.53,48.45 50.53,50.01 65.98,65.47 70.48,65.47 75.6,60.35 v1(75.6,58.9) ; v1(41.59,1.46) 41.59,4.32 40.25,5.66 J4.B6 ; J4.A6 39.75,8.99 v1(39.86,9.09)
/USB-PD-PhonePC/DP_EXT_PR: length 53.5
  Top Layer w0.127: v1(45.65,0.93) 46.5,0.93
  Bottom Layer w0.127: v1(45.65,0.93) 45.34,1.23 44.84,0.74 44.32,0.74 44.31,0.73 9.62,0.73 8.45,1.9 6.8,1.9 6.05,1.15 5.22,1.15 4.38,2 4.38,4.43 5.33,5.38 9.72,5.38 10.73,4.37 10.99,4.37
  vias: v2(10.99,4.37)
/USB-PD-PhonePC/GPIO0: length 7.1
  Top Layer w0.127: v1(11.15,1.55) 11.15,0.72 9.6,0.72 ; U11.E6 13.43,3.87 13.9,3.4 v1(13.9,3.29)
  Signal Layer 1 w0.127: v1(11.15,1.55) 12.16,1.55 v1(13.9,3.29)
/USB-PD-PhonePC/GPIO1: length 13.4
  Top Layer w0.127: 14.25,0.72 12.7,0.72 v1(12.7,1.5)
  Signal Layer 2 w0.152: v2(11.99,5.37) 10.96,6.4 9.6,6.4 8.8,5.6 8.8,3 9.5,2.3 11.9,2.3 v1(12.7,1.5)
/USB-PD-PhonePC/GPIO3: length 3.6
  Top Layer w0.127: R37.1 R39.1 12.7,3.19 v1(12.6,3.29)
  Bottom Layer w0.1: v1(12.6,3.29) 12.6,3.5 12.49,3.61 v2(12.49,4.37)
/USB-PD-PhonePC/GPIO4: length 12.8
  Top Layer w0.1: U11.E4 11.99,3.6
  Top Layer w0.127: v1(11.99,3.2) 11.99,3.6 ; R65.2 16.77,11.4 15.65,11.4 15.1,10.85 v1(15.1,9.05)
  Bottom Layer w0.127: v1(15.1,9.05) 15.1,9.05 15.1,6 13.01,3.91 13.01,3.12 12.77,2.87 12.32,2.87 v1(11.99,3.2)
/USB-PD-PhonePC/GPIO5: length 20.7
  Top Layer w0.127: TP6.1 8.71,3.06 11.11,3.06 v1(11.25,3.2) 11.49,3.44 U11.E3
  Bottom Layer w0.127: v2(22.9,9.25) 16.45,9.25 15.52,8.32 15.52,6.09 13.24,3.82 13.24,2.89 13,2.65 11.8,2.65 v1(11.25,3.2)
/USB-PD-PhonePC/USB_Phone_SYS: length 3.3
  Top Layer w0.5: 34.59,11.05 R11.1
  Top Layer w1: 34.59,11.05 R57.2 R75.1
/USB-PD-PhonePC/VCIN: length 26.2
  Top Layer w0.1: U11.A5 12.49,6.19
  Top Layer w0.2: 32.9,13.3 32.6,13.6 v1(23.7,13.6) ; C47.1 12.45,8.15 v1(12.45,8.1) 12.5,8.1 12.49,8.11 12.49,6.19
  Signal Layer 1 w0.2: v1(12.45,8.1) 17.95,13.6 v1(23.7,13.6)
/USB-PD-PhonePC/VIO1: length 8.2
  Top Layer w0.1: U11.B1 10.1,5.37 ; R87.2 6.4,6.65 R36.1
  Top Layer w0.2: 10.1,5.37 7.68,5.37 R36.1
  Top Layer w0.5: C54.1 5.38,6.2 R36.1
/USB-PD-PhonePC/VIO2: length 13.3
  Top Layer w0.1: U11.C1 10.1,4.87
  Top Layer w0.127: R95.3 R88.1
  Top Layer w0.2: R88.1 3.3,2.4 R35.1 4.03,3.05 4.25,3.05 4.68,3.48 C53.1 6.45,3.93 7.39,4.87 10.1,4.87 ; 3.38,0.88 3.38,2.41
/VBoost: length 6.8
  Top Layer w0.1: 45.95,31.94 45.95,31.43 ; 46.35,31.94 46.35,31.43 ; U6.E6 U6.E4 ; 45.54,31.43 U6.D4
  Top Layer w0.8: 43.51,29.03 47.58,29.03
/VRect: length 35.9
  Top Layer w0.1: 24.9,38.01 25.31,38.01 26.45,39.15 27.61,39.15 v1(28.15,39.69)
  Top Layer w0.127: 51.59,60.11 51.85,60.1 53.45,60.1 U1.D5
  Signal Layer 1 w0.127: v1(40.25,61.5) 34.65,61.5 29.85,56.7 29.85,41.39 v1(28.15,39.69)
/Wireless-Receiver/IEXT: length 20.1
  Top Layer w0.127: U1.A3 52.65,61.7
  Top Layer w0.3: v1(52.65,62.2) 52.65,61.7
  Signal Layer 2 w0.3: v1(52.65,62.2) 52.35,61.9 41.2,61.9 39.25,63.85 v1(37.35,63.85) v1(34.35,63.85)
  vias: v1(35.85,63.85)
/Wireless-Receiver/VAA: length 12.5
  Top Layer w0.127: R98.2 54.42,62.67 R102.1 v1(57.53,62.67) 58.03,62.67 58.75,61.95 58.75,60.92 R89.1
  Bottom Layer w0.127: v2(53.05,59.71) 54.96,59.71 57.53,62.28 v1(57.53,62.67)
Net-(BT1-+):
  vias: v1(1.5,53.1) v1(1.5,52.5) v1(2.1,53.1) v1(2.1,52.5) v1(2.7,53.1) v1(2.7,52.5) v1(3.3,53.1) v1(3.3,52.5) v1(3.9,53.1) v1(3.9,52.5) v1(4.5,52.5) v1(4.5,51.9) v1(4.7,51.3) v1(5.1,51.9) v1(5.3,51.3) v1(16.06,56.05) v1(16.06,55.3) v1(16.06,54.55) v1(16.06,53.8) v1(16.81,56.05) v1(16.81,55.3) v1(16.81,54.55) v1(16.81,53.8) v1(17.56,56.05) v1(17.56,55.3) v1(17.56,54.55) v1(17.56,53.8)
